# Altium PCB Heart-by-LED.PcbDoc (continued)
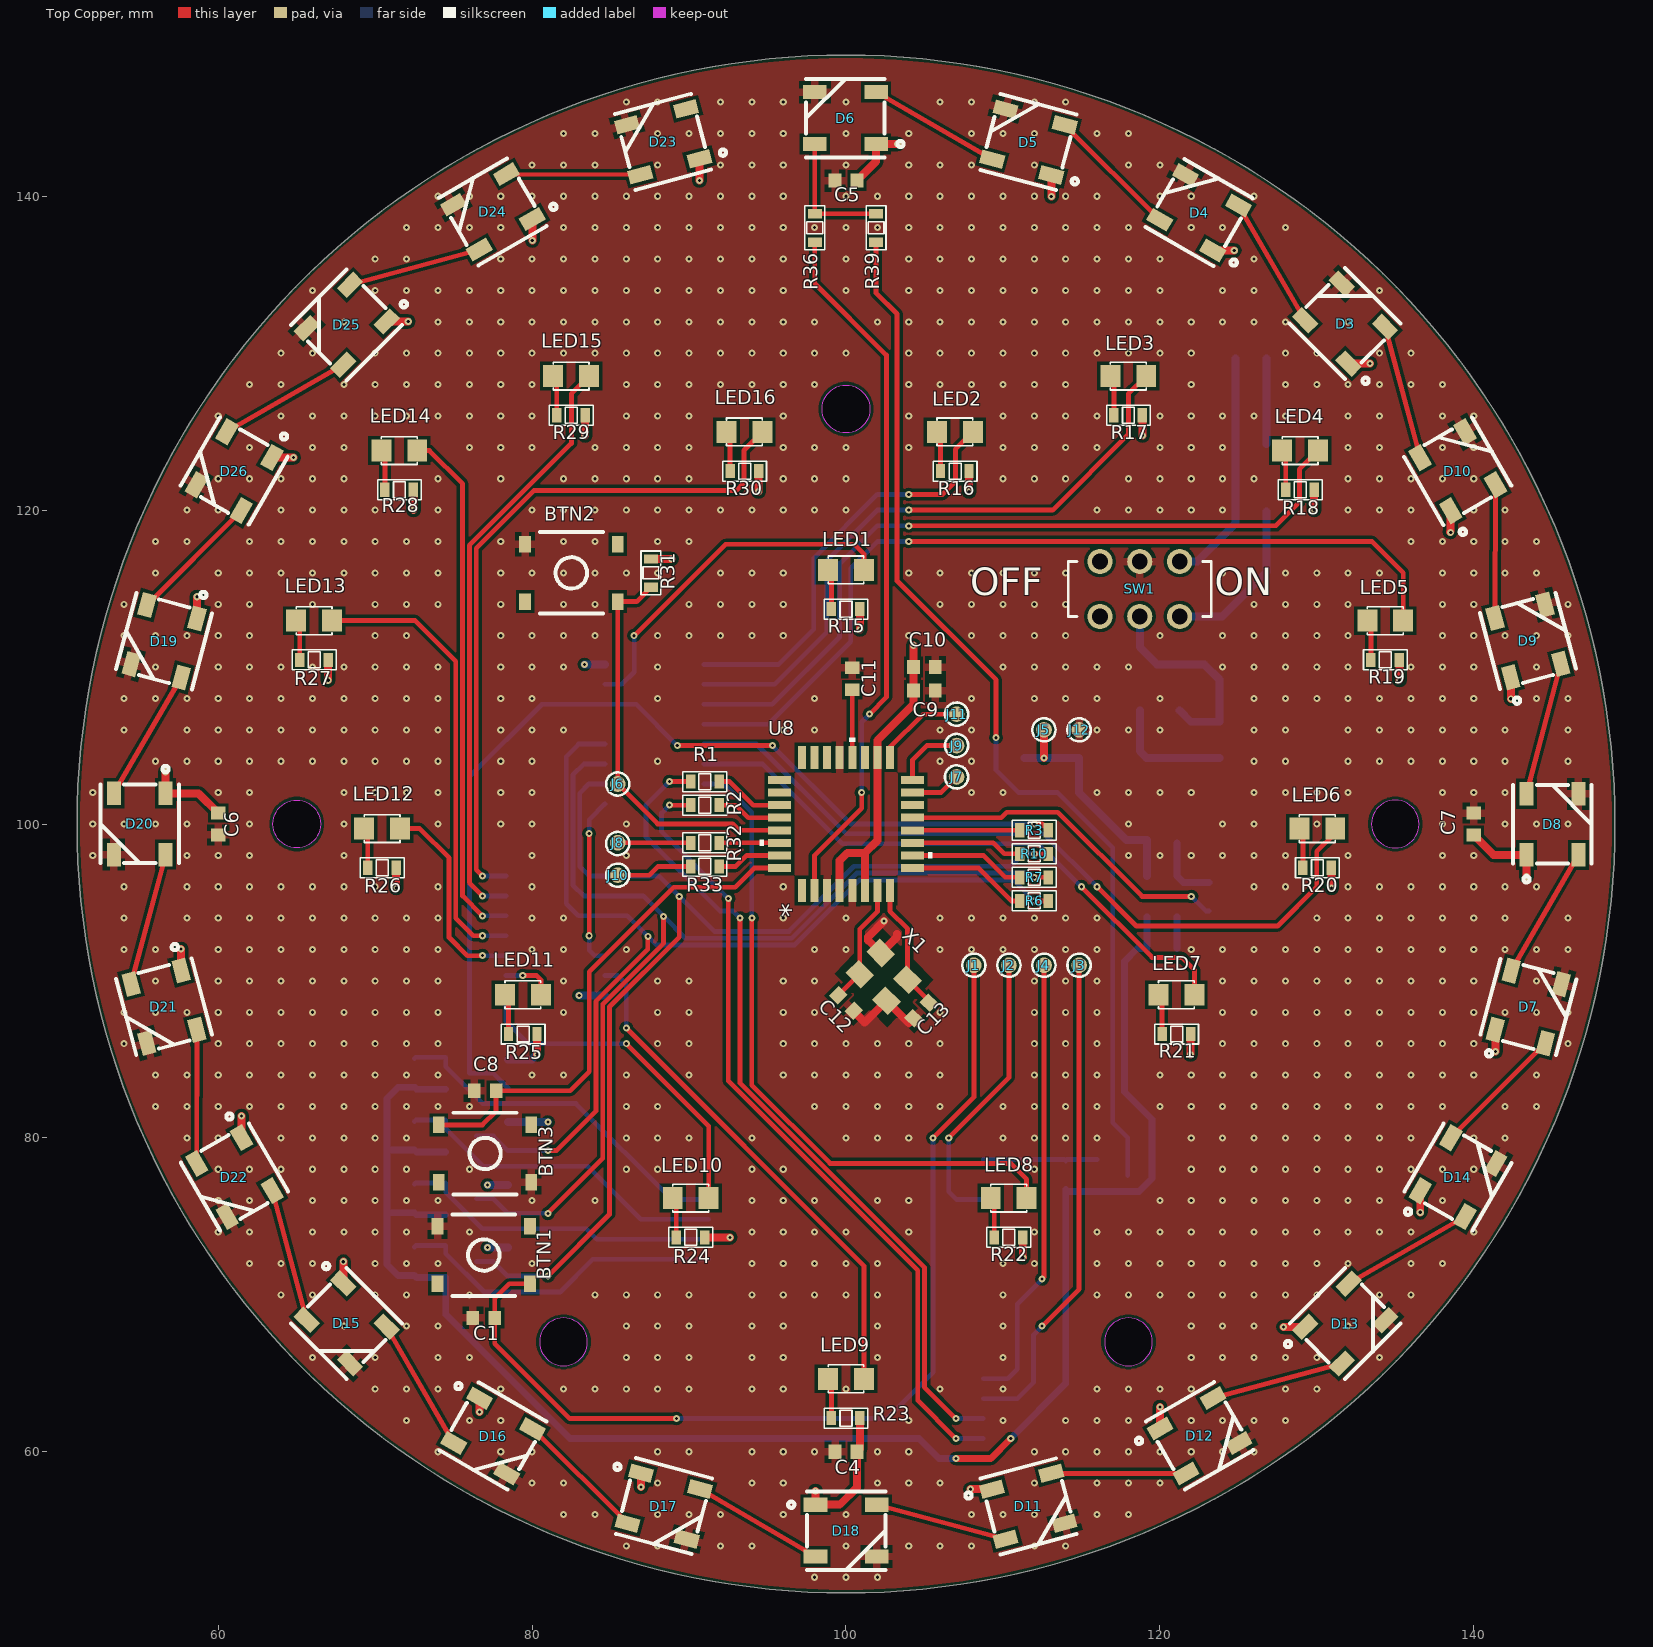
[diagram p0: Top Copper view]
## Nets (pads, with @x,y where several pads share a name; then routed paths per layer and width w, separated by ;. In a path a pad name is that pad's centre, name@x,y a point inside that pad or via, vN(x,y) a via of type N, cw(c..) or ccw(c..) an arc to the next point about the centre after c; other vN are vias at no path point) (continued)
IO0: R32.2 U8.30 | length 3.8
  Top Copper w0.305: R32.2 U8.30
IO1: R33.2 U8.31 | length 4.1
  Top Copper w0.305: R33.2 92.979,97.3 93.678,98 U8.31
IO2: BTN3.1 C8.2 U8.32 | length 33
  Top Copper w0.305: BTN3.1 76.835,80.825 77.7,81.69 C8.2 82.419,83 83.635,84.216 83.635,90.581 89.018,95.964 92.94,95.964 94.176,97.2 U8.32
IO3: U8.1
IO4: R36.2 U8.2 | length 45.1
  Top Copper w0.305: U8.2 98,98.005 101,101.005 v1(101,102) ; R36.2 98.015,134.441 102.577,129.88 102.577,108.077 v1(101.5,107)
  Bottom Copper w0.305: v1(101,102) 101,106.5 v1(101.5,107)
IO5: R6.2 U8.9 | length 7.7
  Top Copper w0.305: U8.9 108.436,97.2 110.536,95.1 R6.2
IO6: R7.2 U8.10 | length 7.4
  Top Copper w0.305: U8.10 108.753,98 110.153,96.6 R7.2
IO7: R10.2 U8.11 | length 7.1
  Top Copper w0.305: U8.11 109.38,98.8 110.08,98.1 R10.2
IO8: R3.2 U8.12 | length 6.8
  Top Copper w0.305: U8.12 R3.2
IO9: R34.2 U8.13 | length 21.7
  Top Copper w0.305: U8.13 109.895,100.4 110.245,100.75 113.5,100.75 118.866,95.384 v1(122,95.384)
  Bottom Copper w0.305: v1(122,95.384) 122.927,94.457 R34.2
IO10: U8.14
IO11: J7.1 U8.15 | length 3.2
  Top Copper w0.305: U8.15 106.047,102 J7.1
IO12: J9.1 U8.16 | length 4.5
  Top Copper w0.305: U8.16 104.242,104.099 105.143,105 J9.1
IO13: J11.1 U8.17 | length 5.8
  Top Copper w0.305: U8.17 102.8,104.88 104.92,107 J11.1
LED0: LED1.2 U2.15 | length 22.8
  Top Copper w0.305: v1(86.5,112) 92.325,117.825 100.538,117.825 101.143,117.22 LED1.2
  Bottom Copper w0.305: U2.15 85.713,108.899 86.5,109.686 v1(86.5,112)
LED1: LED2.2 U2.1 | length 27.1
  Top Copper w0.305: v1(104,121) 106.152,121 106.973,121.821 106.973,123.873 LED2.2
  Bottom Copper w0.305: U2.1 95.7,110.169 97.945,112.413 97.945,116.945 102,121 v1(104,121)
LED2: LED3.2 U2.2 | length 40.5
  Top Copper w0.305: v1(104,120) 113.178,120 117.999,124.821 117.999,127.411 LED3.2
  Bottom Copper w0.305: U2.2 95.46,108.899 98.768,112.207 98.768,116.768 102,120 v1(104,120)
LED3: LED4.2 U2.3 | length 49.8
  Top Copper w0.305: v1(104,119) 127.393,119 128.889,120.497 128.889,122.611 LED4.2
  Bottom Copper w0.305: U2.3 95.306,107.629 99.592,111.915 99.592,116.592 102,119 v1(104,119)
LED4: LED5.2 U2.4 | length 56
  Top Copper w0.305: v1(104,118) 133.523,118 135.507,116.017 LED5.2
  Bottom Copper w0.305: U2.4 95.048,106.359 100.298,111.609 100.298,116.298 102,118 v1(104,118)
LED5: LED6.2 U2.5 | length 49.1
  Top Copper w0.305: v1(116,96) 118.5,93.5 127.5,93.5 130,96 130,98.25 131.175,99.425 LED6.2
  Bottom Copper w0.305: U2.5 94.297,105.089 100.002,99.384 112.616,99.384 v1(116,96)
LED6: LED7.2 U2.6 | length 38.3
  Top Copper w0.305: v1(115,96) 119.5,91.5 121.4,91.5 122.2,90.7 LED7.2
  Bottom Copper w0.305: U2.6 94.681,103.819 99.761,98.739 112.261,98.739 v1(115,96)
LED7: LED8.2 U2.7 | length 42.4
  Top Copper w0.305: v1(94,94) 94,83.352 98.985,78.367 110.491,78.367 111.508,77.35 LED8.2
  Bottom Copper w0.305: U2.7 92.201,102.549 94,100.75 v1(94,94)
LED8: LED9.2 U5.15 | length 33
  Top Copper w0.305: v1(86,87) 101.143,71.857 LED9.2
  Bottom Copper w0.305: U5.15 85.456,90.339 86,89.795 v1(86,87)
LED9: LED10.2 U5.1 | length 21.9
  Top Copper w0.305: v1(86,86) 91.248,80.752 LED10.2
  Bottom Copper w0.305: U5.1 78.335,87.425 79.761,86 v1(86,86)
LED10: LED11.2 U5.2 | length 3.3
  Top Copper w0.305: v1(79.403,90.339) 80.299,90.339 80.556,90.082 LED11.2
  Bottom Copper w0.305: U5.2 v1(79.403,90.339)
LED11: LED12.2 U5.3 | length 13.1
  Top Copper w0.305: LED12.2 72.839,99.711 74.705,97.846 74.705,92.768 75.864,91.609 v1(76.835,91.609)
  Bottom Copper w0.305: v1(76.835,91.609) U5.3
LED12: LED13.2 U5.4 | length 29
  Top Copper w0.305: LED13.2 72.541,112.959 75.136,110.364 75.136,93.994 76.252,92.879 v1(76.835,92.879)
  Bottom Copper w0.305: v1(76.835,92.879) U5.4
LED13: LED14.2 U5.5 | length 33.3
  Top Copper w0.305: LED14.2 73.452,123.798 75.568,121.682 75.568,95.416 v1(76.835,94.149)
  Bottom Copper w0.305: v1(76.835,94.149) U5.5
LED14: LED15.2 U5.6 | length 38.1
  Top Copper w0.305: v1(76.835,95.419) 76,96.254 76,117.75 82.5,124.25 82.5,127.422 LED15.2
  Bottom Copper w0.305: v1(76.835,95.419) U5.6
LED15: LED16.2 U5.7 | length 45.1
  Top Copper w0.305: v1(76.835,96.689) 76.432,97.092 76.432,117.571 80.111,121.25 93,121.25 93.5,121.75 93.5,123.812 LED16.2
  Bottom Copper w0.305: v1(76.835,96.689) U5.7
LED_DIN_1: D6.4 R36.1 R39.1 | length 8.3
  Top Copper w0.305: R36.1 R39.1 ; R36.1@98.015,138.889 D6.4
LED_DIN_2: D3.2 D10.4 | length 8.6
  Top Copper w0.305: D3.2 D10.4
LED_DIN_3: D7.2 D14.4 | length 8.5
  Top Copper w0.305: D14.4 D7.2
LED_DIN_4: D11.2 D18.4 | length 8.5
  Top Copper w0.305: D18.4 D11.2
LED_DIN_5: D15.2 D22.4 | length 8.5
  Top Copper w0.305: D22.4 D15.2
LED_DIN_6: D19.2 D26.4 | length 8.5
  Top Copper w0.305: D19.2 D26.4
LED_DOUT: D23.2
MCU_AREF: C11.2 U8.20 | length 4.3
  Top Copper w0.305: U8.20 C11.2
MCU_RST: BTN2.1 J6.1 R31.2 U8.29 | length 25.6
  Top Copper w0.305: R31.2 86.672,114.175 BTN2.1 J6.1 87.995,100.005 92.785,100.005 93.19,99.6 U8.29
NetC15_2: C15.2 D2.2 U9.2 | length 7.8
  Bottom Copper w0.508: C15.2 118.721,104.645 D2.2 U9.2
NetC17_2: C17.2 U10.4 | length 2
  Bottom Copper w0.432: C17.2 U10.4
NetD1_1: D1.1 SW1.1 | length 10.6
  Bottom Copper w0.508: SW1.1 123.975,113.225 126.808,116.058 D1.1
NetD1_2: D1.2 J13.2 | length 5.4
  Bottom Copper w0.508: D1.2 J13.2
NetD3_4: D3.4 D4.2 | length 8.5
  Top Copper w0.305: D4.2 D3.4
NetD4_4: D4.4 D5.2 | length 8.5
  Top Copper w0.305: D5.2 D4.4
NetD5_4: D5.4 D6.2 | length 8.5
  Top Copper w0.305: D6.2 D5.4
NetD7_4: D7.4 D8.2 | length 8.5
  Top Copper w0.305: D7.4 D8.2
NetD8_4: D8.4 D9.2 | length 8.6
  Top Copper w0.305: D8.4 D9.2
NetD9_4: D9.4 D10.2 | length 8.5
  Top Copper w0.305: D9.4 D10.2
NetD11_4: D11.4 D12.2 | length 8.6
  Top Copper w0.305: D11.4 D12.2
NetD12_4: D12.4 D13.2 | length 8.5
  Top Copper w0.305: D12.4 D13.2
NetD13_4: D13.4 D14.2 | length 8.6
  Top Copper w0.305: D13.4 D14.2
NetD15_4: D15.4 D16.2 | length 8.6
  Top Copper w0.305: D15.4 D16.2
NetD16_4: D16.4 D17.2 | length 8.5
  Top Copper w0.305: D16.4 D17.2
NetD17_4: D17.4 D18.2 | length 8.5
  Top Copper w0.305: D17.4 D18.2
NetD19_4: D19.4 D20.2 | length 8.5
  Top Copper w0.305: D20.2 D19.4
NetD20_4: D20.4 D21.2 | length 8.5
  Top Copper w0.305: D21.2 D20.4
NetD21_4: D21.4 D22.2 | length 8.5
  Top Copper w0.305: D22.2 D21.4
NetD23_4: D23.4 D24.2 | length 8.5
  Top Copper w0.305: D24.2 D23.4
NetD24_4: D24.4 D25.2 | length 8.5
  Top Copper w0.305: D25.2 D24.4
NetD25_4: D25.4 D26.2 | length 8.5
  Top Copper w0.305: D26.2 D25.4
NetJ13_1: J13.1 SW1.4 | length 15.1
  Bottom Copper w0.508: SW1.4 122.389,116.725 124.808,119.143 J13.1
NetLED1_1: LED1.1 R15.2 | length 2.6
  Top Copper w0.305: LED1.1 99.073,115.975 R15.2
NetLED2_1: LED2.1 R16.2 | length 2.6
  Top Copper w0.305: LED2.1 106.024,124.758 R16.2
NetLED3_1: LED3.1 R17.2 | length 2.6
  Top Copper w0.305: LED3.1 117.073,128.32 R17.2
NetLED4_1: LED4.1 R18.2 | length 2.6
  Top Copper w0.305: LED4.1 128.016,123.572 R18.2
NetLED5_1: LED5.1 R19.2 | length 2.6
  Top Copper w0.305: LED5.1 133.446,112.733 R19.2
NetLED6_1: LED6.1 R20.2 | length 2.6
  Top Copper w0.305: LED6.1 129.115,99.486 R20.2
NetLED7_1: LED7.1 R21.2 | length 2.6
  Top Copper w0.305: LED7.1 120.14,88.892 R21.2
NetLED8_1: LED8.1 R22.2 | length 2.6
  Top Copper w0.305: LED8.1 109.448,75.936 R22.2
NetLED9_1: LED9.1 R23.2 | length 2.6
  Top Copper w0.305: LED9.1 99.073,64.426 R23.2
NetLED10_1: LED10.1 R24.2 | length 2.6
  Top Copper w0.305: LED10.1 89.188,75.936 R24.2
NetLED11_1: LED11.1 R25.2 | length 2.6
  Top Copper w0.305: LED11.1 78.496,88.891 R25.2
NetLED12_1: LED12.1 R26.2 | length 2.6
  Top Copper w0.305: LED12.1 69.521,99.485 R26.2
NetLED13_1: LED13.1 R27.2 | length 2.6
  Top Copper w0.305: LED13.1 65.189,112.733 R27.2
NetLED14_1: LED14.1 R28.2 | length 2.6
  Top Copper w0.305: LED14.1 70.62,123.572 R28.2
NetLED15_1: LED15.1 R29.2 | length 2.6
  Top Copper w0.305: LED15.1 81.563,128.319 R29.2
NetLED16_1: LED16.1 R30.2 | length 2.6
  Top Copper w0.305: LED16.1 92.612,124.758 R30.2
NetR34_1: R34.1 R35.1 U10.3 | length 4.3
  Bottom Copper w0.432: R35.1 U10.3 121.496,96.273 R34.1
NetU2_9: U2.9 U5.14 | length 10.9
  Top Copper w0.305: v1(83.635,92.879) v1(83.635,99.384)
  Bottom Copper w0.305: v1(83.635,92.879) 83.635,91.968 83.994,91.609 U5.14 ; v1(83.635,99.384) 83.635,100.278 U2.9
PWR_IN: C14.2 SW1.2 U9.3 | length 13.4
  Bottom Copper w0.508: SW1.2 118.721,111.279 119.831,110.169 122.831,110.169 123.799,109.201 U9.3 121.969,106.516 C14.2
RXD: J8.1 R32.1 | length 4.7
  Top Copper w0.305: J8.1 R32.1
SR_DS: R3.1 R4.2 U2.14 U3.3 | length 63.9
  Top Copper w0.305: v1(89.25,105) v1(95.306,105) ; v1(112,100) 112.489,100 R3.1
  Bottom Copper w0.305: R4.2 77.53,84.116 U3.3 76,84.116 76,103 80.629,107.629 U2.14 86.621,107.629 v1(89.25,105) ; v1(95.306,105) 100.306,100 v1(112,100)
SR_MR: R10.1 R13.2 U2.10 U5.10 U7.3 | length 72.7
  Top Copper w0.305: v1(81,71.19) 84.93,75.12 84.93,88.344 89.373,92.786 v1(89.373,95.383) ; v1(112,98.1) R10.1
  Bottom Copper w0.305: U7.3 77.53,72.116 R13.2 v1@81,71.19 ; U2.10 83.622,102.549 83.034,101.961 83.034,97.28 83.625,96.689 U5.10 88.067,96.689 v1(89.373,95.383) 91.605,93.151 96.36,93.151 100.51,97.302 110.487,97.302 111.285,98.1 v1(112,98.1)
SR_SHCP: R7.1 R11.2 U2.11 U5.11 U6.3 | length 69.8
  Top Copper w0.305: v1(81,75.19) 84.499,78.689 84.499,88.522 88.373,92.396 v1(88.373,94.113) ; v1(112,96.6) R7.1
  Bottom Copper w0.305: U6.3 77.53,76.116 R11.2 v1(81,75.19) ; U2.11 83.295,103.819 82.602,103.126 82.602,96.112 83.295,95.419 U5.11 87.067,95.419 v1(88.373,94.113) 89.767,92.72 96.538,92.72 100.689,96.87 111.73,96.87 v1(112,96.6)
SR_STCP: R6.1 R8.2 U2.12 U4.3 U5.12 | length 67.8
  Top Copper w0.305: v1(81,79.19) 81.55,79.19 84.067,81.707 84.067,88.701 87.373,92.007 v1(87.373,92.843) ; v1(112,95.1) R6.1
  Bottom Copper w0.305: U4.3 77.53,80.116 R8.2 v1(81,79.19) ; U2.12 82.961,105.089 82.17,104.298 82.17,94.926 82.948,94.149 U5.12 86.067,94.149 v1(87.373,92.843) 87.928,92.288 96.717,92.288 100.868,96.438 110.662,96.438 v1(112,95.1)
TXD: J10.1 R33.1 | length 4.9
  Top Copper w0.305: J10.1 87.464,96.74 88.024,97.3 R33.1
XTAL1: C12.2 U8.7 X1.1 | length 7.7
  Top Copper w0.305: C12.2 100.846,90.435 X1.1 100.88,93.3 102,94.421 U8.7
XTAL2: C13.2 U8.8 X1.3 | length 8.2
  Top Copper w0.305: U8.8 102.8,94.435 103.92,93.315 X1.3 105.291,88.712 C13.2
pads on no net: BTN1.2 BTN1.4 BTN2.2 BTN2.4 BTN3.2 BTN3.4 SW1.3 SW1.6 U1.4 U1.5 U1.6 U1.7 U1.8 U1.9 U1.10 U1.16 U1.17 U1.18 U1.19 U1.20 U1.21 U1.22 U1.24 U1.26 U1.27 U1.28 U1.29 U1.30 U1.31 U1.32 U1.33 U5.9

## Polygon pours and split planes (outlines as drawn)
GND on Signal Layer 2 (GND) "GND_L03_P002" (solid, pour order 2): 100,51 cw(c100,100) 51,100 cw(c100,100) 100,149 cw(c100,100) 149,100 cw(c100,100)
+5 on Signal Layer 1 (VCC) "+5_L02_P000" (solid, pour order 0): 100,51 cw(c100,100) 51,100 cw(c100,100) 100,149 cw(c100,100) 149,100 cw(c100,100)
GND on Bottom Copper "Bottom Copper-GND" (solid, pour order 4): 100,51 cw(c100,100) 51,100 cw(c100,100) 100,149 cw(c100,100) 149,100 cw(c100,100)
GND on Top Copper "Top Copper-GND" (solid, pour order 6): 100,51 cw(c100,100) 51,100 cw(c100,100) 100,149 cw(c100,100) 149,100 cw(c100,100)

## Other copper
Top Copper:
  pour cut-out: 99.28,90.47 102.624,87.039 105.559,90.065 102.215,93.496
Signal Layer 1 (VCC):
  pour cut-out: 99.28,90.47 102.624,87.039 105.559,90.065 102.215,93.496
Signal Layer 2 (GND):
  pour cut-out: 99.28,90.47 102.624,87.039 105.559,90.065 102.215,93.496
Bottom Copper:
  pour cut-out: 99.28,90.47 102.624,87.039 105.559,90.065 102.215,93.496

## Silkscreen, mask and mechanical layers (free items; w line width, h text height)
Top Overlay:
  text "OFF" at 107.931,114 h3
  text "ON" at 123.511,114 h3
Bottom Overlay:
  text "-" at 123,126.89 h3
  text "+" at 129.808,126.743 h3
  text "Heart-by-LED / rev1.0 - Sep 25, 2021 / by Cuong12399" at 110,95 h2
  text "JLCJLCJLCJLC" at 105,74.465 h1.5
Mechanical 1:
  circle w0.025: c65,100 r1.525
  circle w0.025: c135,100 r1.525
  circle w0.025: c118,67 r1.525
  circle w0.025: c82,67 r1.525
  circle w0.025: c100,126.445 r1.525
Mechanical 2:
  circle w0.025: c100,100 r49
  region: 99.28,90.47 102.624,87.039 105.559,90.065 102.215,93.496
  lines w0.025: 99.28,90.47 102.624,87.039 105.559,90.065 102.215,93.496 99.28,90.47
  lines w0.254: 52.5,97.5 52.5,102.5 57.5,102.5 57.5,97.5 52.5,97.5 ; 53.472,90.121 54.766,85.291 59.595,86.585 58.301,91.415 53.472,90.121 ; 53.472,109.879 54.766,114.709 59.595,113.415 58.301,108.585 53.472,109.879 ; 57.614,78.415 60.114,74.085 64.444,76.585 61.944,80.915 57.614,78.415 ; 57.614,121.585 60.114,125.915 64.444,123.415 61.944,119.085 57.614,121.585 ; 64.645,68.18 68.18,64.645 71.716,68.18 68.18,71.716 64.645,68.18 ; 64.645,131.82 68.18,135.355 71.716,131.82 68.18,128.284 64.645,131.82 ; 74.085,60.114 78.415,57.614 80.915,61.944 76.585,64.444 74.085,60.114 ; 74.085,139.886 78.415,142.386 80.915,138.056 76.585,135.556 74.085,139.886 ; 85.291,54.766 90.121,53.472 91.415,58.301 86.585,59.595 85.291,54.766 ; 85.291,145.234 90.121,146.529 91.415,141.699 86.585,140.405 85.291,145.234 ; 97.5,52.5 102.5,52.5 102.5,57.5 97.5,57.5 97.5,52.5 ; 97.5,142.5 97.5,147.5 102.5,147.5 102.5,142.5 97.5,142.5 ; 108.585,58.301 113.415,59.595 114.709,54.766 109.879,53.472 108.585,58.301 ; 108.585,141.699 109.879,146.529 114.709,145.234 113.415,140.405 108.585,141.699 ; 119.085,61.944 123.415,64.444 125.915,60.114 121.585,57.614 119.085,61.944 ; 119.085,138.056 121.585,142.386 125.915,139.886 123.415,135.556 119.085,138.056 ; 128.284,68.18 131.82,71.716 135.355,68.18 131.82,64.645 128.284,68.18 ; 128.284,131.82 131.82,135.355 135.355,131.82 131.82,128.284 128.284,131.82 ; 135.556,76.585 138.056,80.915 142.386,78.415 139.886,74.085 135.556,76.585 ; 135.556,123.415 139.886,125.915 142.386,121.585 138.056,119.085 135.556,123.415 ; 140.405,86.585 141.699,91.415 146.529,90.121 145.234,85.291 140.405,86.585 ; 140.405,113.415 145.234,114.709 146.529,109.879 141.699,108.585 140.405,113.415 ; 142.5,97.5 142.5,102.5 147.5,102.5 147.5,97.5 142.5,97.5

## Text inside footprints (layer, text, board x,y; h text height)
U1: Mechanical 1 "ANTENNA" at 91,58.35 h3 r180
U3: Mechanical 7 "Top Padstyle: RX22Y55D0T" at 67.453,76.496 h1.27 r270; Mechanical 7 "Bottom Padstyle: RX22Y55D0T" at 65.548,75.544 h1.27 r270; Mechanical 7 "Alt 1 Padstyle: OX60Y90D30P" at 63.643,75.544 h1.27 r270; Mechanical 7 "Alt 2 Padstyle: OX90Y60D30P" at 61.738,75.544 h1.27 r270; Mechanical 7 "0.104in/2.642mm" at 75.161,89.958 h0.64 r270; Mechanical 7 "0.027in/0.686mm" at 76.139,88.053 h0.64 r270; Mechanical 7 "0.08in/2.032mm" at 70.475,81.894 h0.64 r270; Mechanical 7 "0.02in/0.508mm" at 79.848,81.894 h0.64 r270; Mechanical 7 "0.12in/3.048mm" at 82.388,81.894 h0.64 r270; Mechanical 7 "0.055in/1.397mm" at 75.161,74.782 h0.64 r270
U4: Mechanical 7 "0.055in/1.397mm" at 75.161,70.782 h0.64 r270; Mechanical 7 "0.12in/3.048mm" at 82.388,77.894 h0.64 r270; Mechanical 7 "0.02in/0.508mm" at 79.848,77.894 h0.64 r270; Mechanical 7 "0.08in/2.032mm" at 70.475,77.894 h0.64 r270; Mechanical 7 "0.027in/0.686mm" at 76.139,84.053 h0.64 r270; Mechanical 7 "0.104in/2.642mm" at 75.161,85.958 h0.64 r270; Mechanical 7 "Alt 2 Padstyle: OX90Y60D30P" at 61.738,71.544 h1.27 r270; Mechanical 7 "Alt 1 Padstyle: OX60Y90D30P" at 63.643,71.544 h1.27 r270; Mechanical 7 "Bottom Padstyle: RX22Y55D0T" at 65.548,71.544 h1.27 r270; Mechanical 7 "Top Padstyle: RX22Y55D0T" at 67.453,72.496 h1.27 r270
U6: Mechanical 7 "Top Padstyle: RX22Y55D0T" at 67.453,68.496 h1.27 r270; Mechanical 7 "Bottom Padstyle: RX22Y55D0T" at 65.548,67.544 h1.27 r270; Mechanical 7 "Alt 1 Padstyle: OX60Y90D30P" at 63.643,67.544 h1.27 r270; Mechanical 7 "Alt 2 Padstyle: OX90Y60D30P" at 61.738,67.544 h1.27 r270; Mechanical 7 "0.104in/2.642mm" at 75.161,81.958 h0.64 r270; Mechanical 7 "0.027in/0.686mm" at 76.139,80.053 h0.64 r270; Mechanical 7 "0.08in/2.032mm" at 70.475,73.894 h0.64 r270; Mechanical 7 "0.02in/0.508mm" at 79.848,73.894 h0.64 r270; Mechanical 7 "0.12in/3.048mm" at 82.388,73.894 h0.64 r270; Mechanical 7 "0.055in/1.397mm" at 75.161,66.782 h0.64 r270
U7: Mechanical 7 "Top Padstyle: RX22Y55D0T" at 67.453,64.496 h1.27 r270; Mechanical 7 "Bottom Padstyle: RX22Y55D0T" at 65.548,63.544 h1.27 r270; Mechanical 7 "Alt 1 Padstyle: OX60Y90D30P" at 63.643,63.544 h1.27 r270; Mechanical 7 "Alt 2 Padstyle: OX90Y60D30P" at 61.738,63.544 h1.27 r270; Mechanical 7 "0.104in/2.642mm" at 75.161,77.958 h0.64 r270; Mechanical 7 "0.027in/0.686mm" at 76.139,76.053 h0.64 r270; Mechanical 7 "0.08in/2.032mm" at 70.475,69.894 h0.64 r270; Mechanical 7 "0.02in/0.508mm" at 79.848,69.894 h0.64 r270; Mechanical 7 "0.12in/3.048mm" at 82.388,69.894 h0.64 r270; Mechanical 7 "0.055in/1.397mm" at 75.161,62.782 h0.64 r270
U8: Top Overlay "*" at 97.054,94.069 h1.27 r90; Mechanical 7 "0.276in/7.01mm" at 100.318,87.884 h0.64 r90; Mechanical 7 "0.276in/7.01mm" at 108.306,97.778 h0.64 r90; Mechanical 7 "0.364in/9.246mm" at 100.318,109.576 h0.64 r90; Mechanical 7 "0.364in/9.246mm" at 90.424,97.619 h0.64 r90; Mechanical 7 "0.03in/0.762mm" at 92.329,102.019 h0.64 r90; Mechanical 7 "0.031in/0.8mm" at 97.918,107.671 h0.64 r90; Mechanical 7 "Default Vert Padstyle: RX20Y58D0T" at 112.878,89.523 h1.27 r90; Mechanical 7 "Default Horiz Padstyle: RX20Y58D0T" at 111.608,89.205 h1.27 r90; Mechanical 13 "*" at 97.816,96.685 h1.27 r90
U9: Bottom Overlay "*" at 123.228,101.746 h1.27 r180
U11: Mechanical 7 "Top Padstyle: RX22Y55D0T" at 108.951,69.984 h1.27 r270; Mechanical 7 "Bottom Padstyle: RX22Y55D0T" at 107.046,69.032 h1.27 r270; Mechanical 7 "Alt 1 Padstyle: OX60Y90D30P" at 105.141,69.032 h1.27 r270; Mechanical 7 "Alt 2 Padstyle: OX90Y60D30P" at 103.236,69.032 h1.27 r270; Mechanical 7 "0.104in/2.642mm" at 116.66,83.446 h0.64 r270; Mechanical 7 "0.027in/0.686mm" at 117.638,81.541 h0.64 r270; Mechanical 7 "0.08in/2.032mm" at 111.974,75.382 h0.64 r270; Mechanical 7 "0.02in/0.508mm" at 121.347,75.382 h0.64 r270; Mechanical 7 "0.12in/3.048mm" at 123.887,75.382 h0.64 r270; Mechanical 7 "0.055in/1.397mm" at 116.66,68.27 h0.64 r270